# Altium PCB VCO.PcbDoc (part 2 of 2)
Units mm, origin at the board's own origin, x right, y up, seen from the top; angles counter-clockwise.
Board outline 69 x 110 mm, 2 copper layers (Top Layer, Bottom Layer); 176 components, 113 nets, 516 pads, 774 vias.
Unrouted connection lines stored in the file: 1.
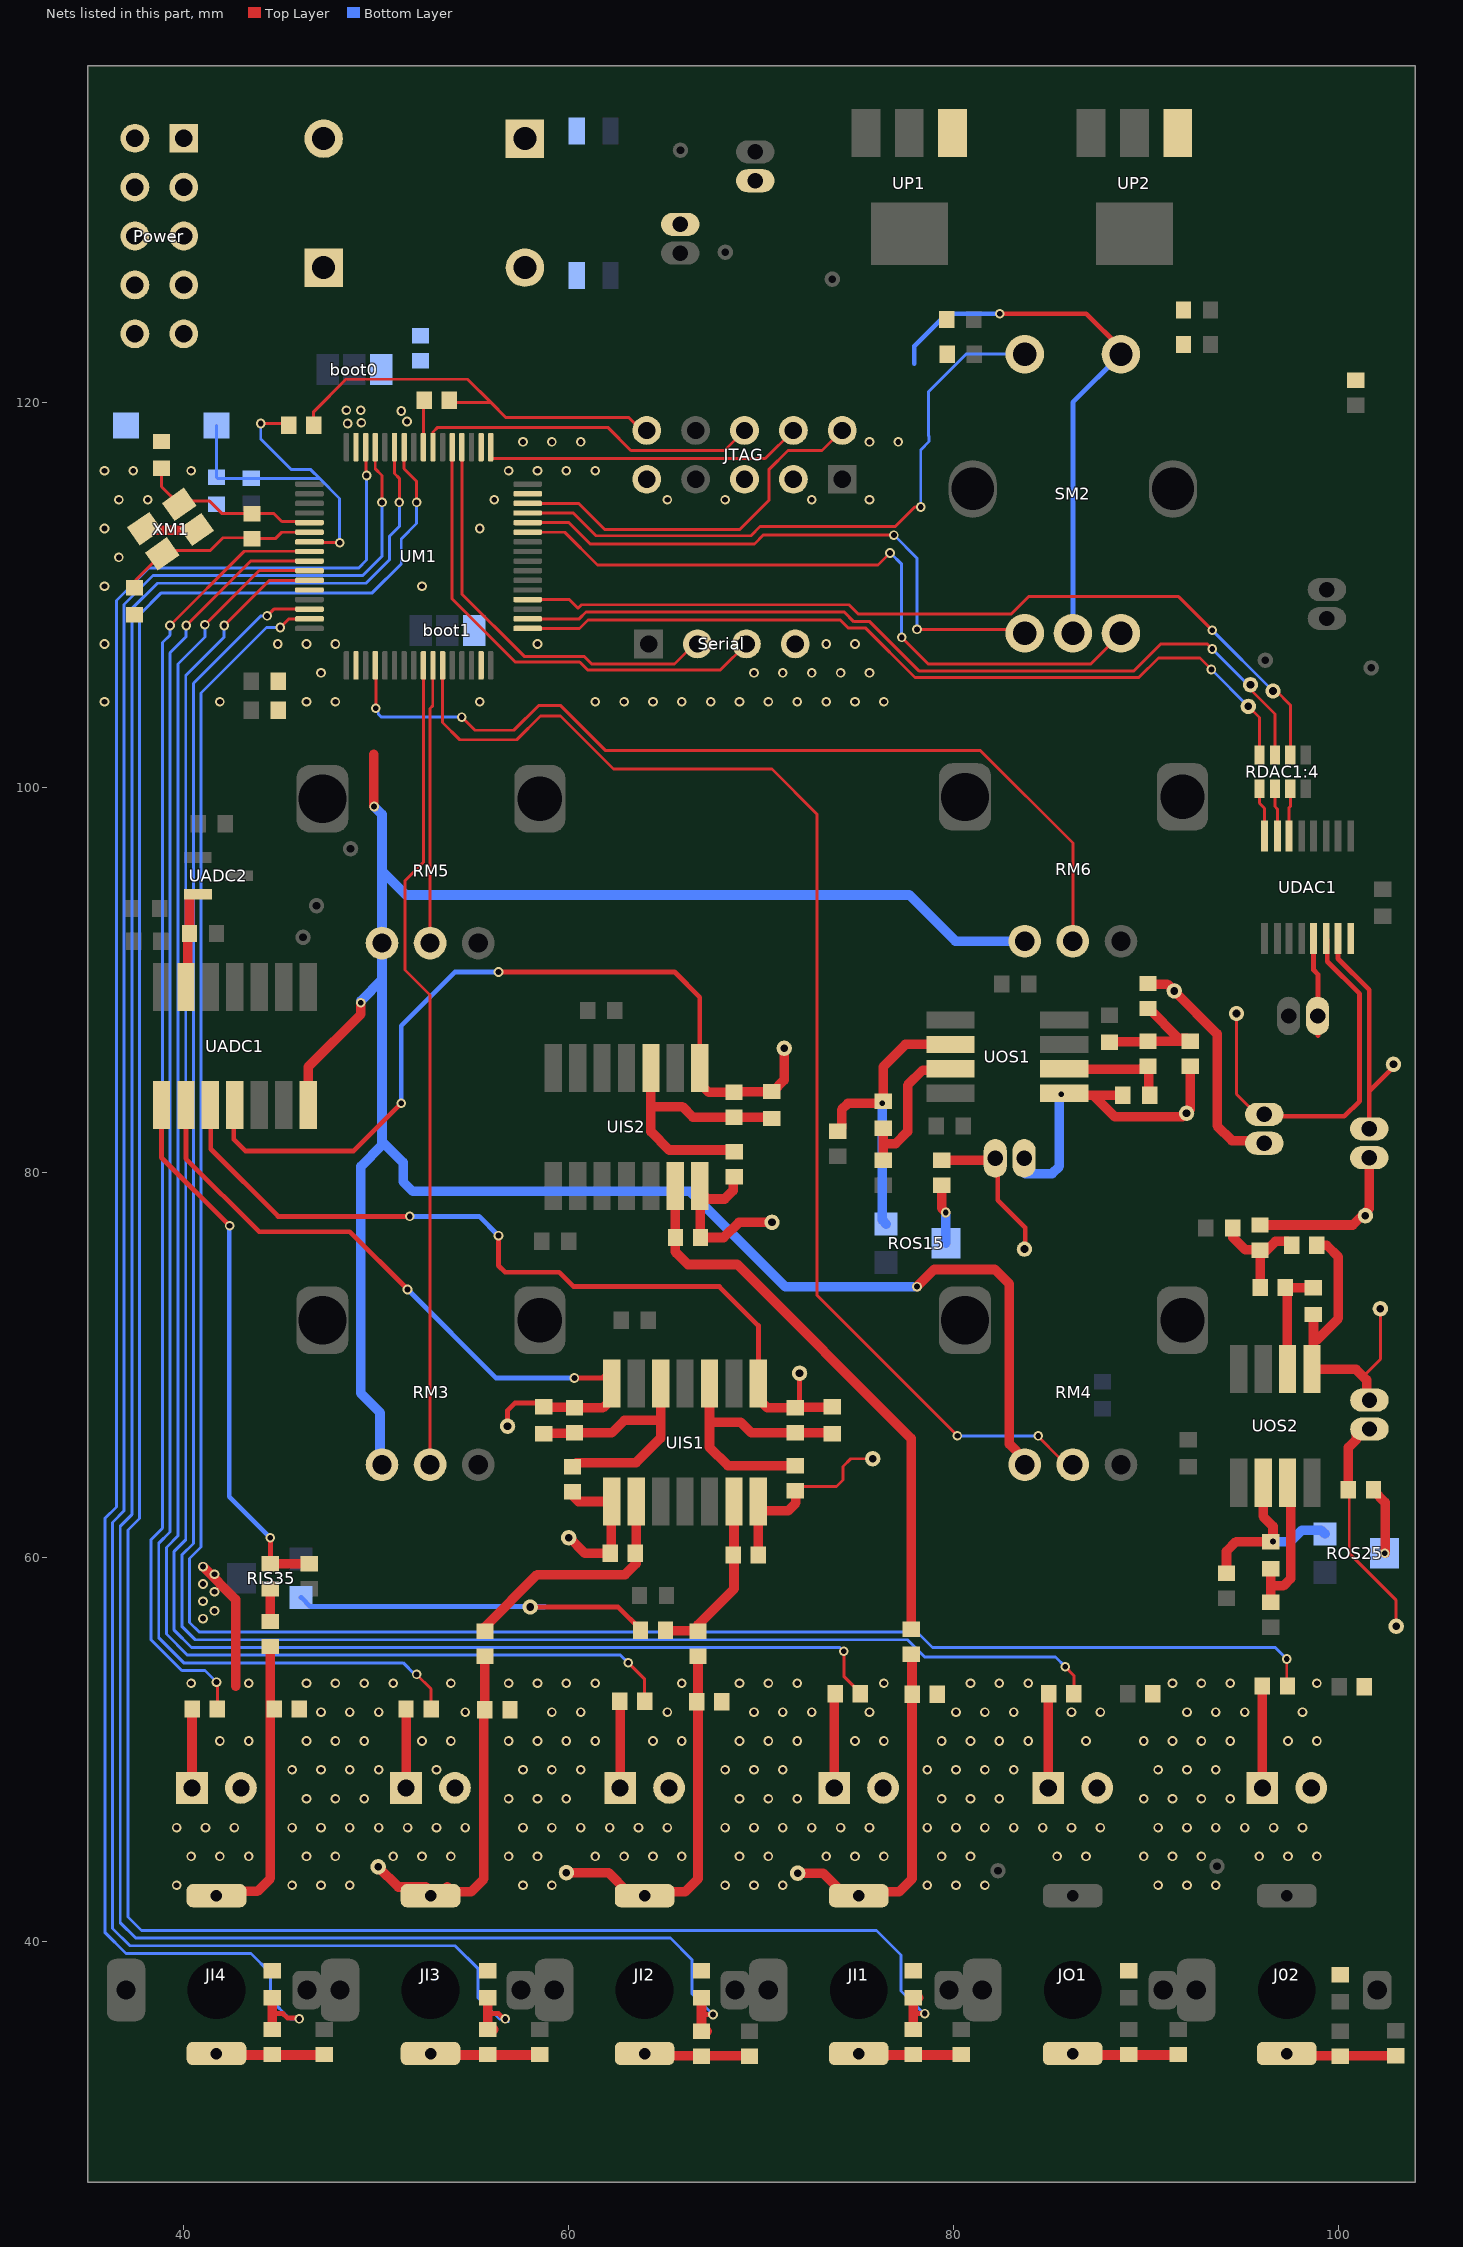
[diagram p2: the nets of this part, all layers, seen from the top]

## Via types
v1: diameter 0.5, hole 0.3, Top Layer to Bottom Layer, tented both sides, 534 vias
v2: diameter 0.5, hole 0.3, Top Layer to Bottom Layer, 240 vias

## Nets (pads, with @x,y where several pads share a name; then routed paths per layer and width w, separated by ;. In a path a pad name is that pad's centre, name@x,y a point inside that pad or via, vN(x,y) a via of type N, cw(c..) or ccw(c..) an arc to the next point about the centre after c; other vN are vias at no path point) (continued)
DGND: boot0.1 boot1.1 CD11.1 CD21.1 CD31.1 CD41.1 CD51.1 CD61.1 CM1.1 CM2.1 CM3.1 CM4.1 CM5.1 DM1.2 DM2.2 DM3.2 DM4.2 DM5.2 DM6.2 JTAG.3 JTAG.5 JTAG.9 NT2.2 RD11.1 RD21.1 RD31.1 RD41.1 RD51.1 RD61.1 reset.1 RM3.1 RM4.1 RM5.1 RM6.1 Serial.4 SM2.3 SM2.5 UADC1.7 UM1.12 UM1.18 UM1.31 UM1.47 UM1.63 XM1.2 XM1.4 | length 166.2
  Top Layer w0.25: v1(82.4,124.6) 86.9,124.6 88.7,122.8 SM2.5@88.7,122.5
  Top Layer w0.5: XM1.4@38.042,113.357 XM1.2@40.645,113.357 ; v1(41,59.5) 42.7,57.8 42.7,53.3 ; UADC1.7@46.464,83.487 46.464,85.464 49.203,88.203 v1(49.203,88.8) ; 49.879,101.7 49.879,99.01 v1(49.889,99) ; v1(78.1,74.05) 78.992,74.942 82.148,74.942 82.9,74.191 82.9,65.863 83.7,65.063 RM4.1@83.7,64.8
  Bottom Layer w0.25: 77.963,122 77.963,122.921 79.642,124.6 v1(82.4,124.6) ; SM2.3@86.2,108 86.2,120 SM2.5@88.7,122.5
  Bottom Layer w0.5: v1(49.203,88.8) 49.203,88.903 50.3,90 ; v1(49.889,99) 50.3,98.589 50.3,95.653 ; RM3.1@50.3,64.8 50.2,64.9 50.2,67.5 49.2,68.5 49.2,80.3 50.3,81.4 50.3,81.6 ; v1(78.1,74.05) 71.25,74.05 66.3,79 51.9,79 51.4,79.5 51.4,80.5 50.3,81.6 ; RM6.1@83.7,92 80.1,92 77.7,94.4 51.553,94.4 50.3,95.653 ; 50.3,81.6 50.3,90 ; 50.3,90 RM5.1@50.3,91.9 50.3,95.653
  other v1: 41,56.8 41.6,57.2 41,57.7 41.6,58.2 41,58.6 41.6,59.1 48.513,118.9 49.23,118.935 51.6,119 51.3,119.549 48.45,119.59 49.198,119.59
  other v2: 39.63,42.942 45.63,42.942 47.13,42.942 48.63,42.942 57.63,42.942 59.13,42.942 68.13,42.942 69.63,42.942 71.13,42.942 78.63,42.942 80.13,42.942 81.63,42.942 90.63,42.942 92.13,42.942 93.63,42.942 40.38,44.442 41.88,44.442 43.38,44.442 46.38,44.442 47.88,44.442 50.88,44.442 52.38,44.442 53.88,44.442 56.88,44.442 58.38,44.442 61.38,44.442 62.88,44.442 64.38,44.442 65.88,44.442 68.88,44.442 70.38,44.442 73.38,44.442 74.88,44.442 76.38,44.442 79.38,44.442 80.88,44.442 85.38,44.442 86.88,44.442 89.88,44.442 91.38,44.442 92.88,44.442 95.88,44.442 97.38,44.442 98.88,44.442 39.63,45.942 41.13,45.942 42.63,45.942 45.63,45.942 47.13,45.942 48.63,45.942 50.13,45.942 51.63,45.942 53.13,45.942 54.63,45.942 57.63,45.942 59.13,45.942 60.63,45.942 62.13,45.942 63.63,45.942 65.13,45.942 68.13,45.942 69.63,45.942 71.13,45.942 72.63,45.942 74.13,45.942 75.63,45.942 78.63,45.942 80.13,45.942 81.63,45.942 83.13,45.942 84.63,45.942 86.13,45.942 87.63,45.942 90.63,45.942 92.13,45.942 93.63,45.942 95.13,45.942 96.63,45.942 98.13,45.942 46.38,47.442 47.88,47.442 49.38,47.442 56.88,47.442 58.38,47.442 59.88,47.442 68.88,47.442 70.38,47.442 71.88,47.442 79.38,47.442 80.88,47.442 82.38,47.442 89.88,47.442 91.38,47.442 92.88,47.442 94.38,47.442 45.63,48.942 47.13,48.942 48.63,48.942 50.13,48.942 53.13,48.942 57.63,48.942 59.13,48.942 60.63,48.942 68.13,48.942 69.63,48.942 71.13,48.942 78.63,48.942 80.13,48.942 81.63,48.942 83.13,48.942 90.63,48.942 92.13,48.942 93.63,48.942 41.88,50.442 43.38,50.442 46.38,50.442 47.88,50.442 49.38,50.442 52.38,50.442 53.88,50.442 56.88,50.442 58.38,50.442 59.88,50.442 61.38,50.442 64.38,50.442 65.88,50.442 68.88,50.442 70.38,50.442 71.88,50.442 74.88,50.442 76.38,50.442 79.38,50.442 80.88,50.442 82.38,50.442 83.88,50.442 86.88,50.442 89.88,50.442 91.38,50.442 92.88,50.442 94.38,50.442 97.38,50.442 98.88,50.442 47.13,51.942 48.63,51.942 50.13,51.942 54.63,51.942 59.13,51.942 60.63,51.942 65.13,51.942 69.63,51.942 71.13,51.942 72.63,51.942 75.63,51.942 80.13,51.942 81.63,51.942 83.13,51.942 86.13,51.942 87.63,51.942 92.13,51.942 93.63,51.942 95.13,51.942 98.13,51.942 40.38,53.442 43.38,53.442 46.38,53.442 47.88,53.442 49.38,53.442 50.88,53.442 53.88,53.442 56.88,53.442 58.38,53.442 59.88,53.442 61.38,53.442 65.88,53.442 68.88,53.442 70.38,53.442 71.88,53.442 76.38,53.442 80.88,53.442 82.38,53.442 83.88,53.442 91.38,53.442 92.88,53.442 94.38,53.442 98.88,53.442 35.88,104.442 41.88,104.442 46.38,104.442 47.88,104.442 55.38,104.442 61.38,104.442 62.88,104.442 64.38,104.442 65.88,104.442 67.38,104.442 68.88,104.442 70.38,104.442 71.88,104.442 73.38,104.442 74.88,104.442 76.38,104.442 47.13,105.942 69.63,105.942 71.13,105.942 72.63,105.942 74.13,105.942 75.63,105.942 35.88,107.442 44.88,107.442 46.38,107.442 47.88,107.442 58.38,107.442 73.38,107.442 74.88,107.442 35.88,110.442 52.38,110.442 36.63,111.942 35.88,113.442 55.38,113.442 36.63,114.942 38.13,114.942 56.13,114.942 65.13,114.942 68.13,114.942 72.63,114.942 75.63,114.942 35.88,116.442 37.38,116.442 40.38,116.442 56.88,116.442 58.38,116.442 59.88,116.442 61.38,116.442 57.63,117.942 59.13,117.942 60.63,117.942 75.63,117.942 77.13,117.942
ENC_A: SM2.1 UM1.44 | length 30.8
  Top Layer w0.152: UM1.44@57.87,113.75 60.007,113.75 61.118,112.64 69.651,112.64 70.111,113.1 v1(76.9,113.1) ; v1(78.1,108.2) 83.5,108.2 SM2.1@83.7,108
  Bottom Layer w0.152: v1(76.9,113.1) 78.1,111.9 v1(78.1,108.2)
ENC_B: SM2.2 UM1.43 | length 37.1
  Top Layer w0.152: UM1.43@57.87,113.25 59.794,113.25 61.499,111.545 76.073,111.545 76.696,112.168 v1(76.696,112.171) ; v1(77.305,107.786) 78.685,106.406 87.128,106.406 88.7,107.978 SM2.2@88.7,108
  Bottom Layer w0.152: v1(76.696,112.171) 76.724,112.171 77.305,111.59 v1(77.305,107.786)
ENC_SW: SM2.4 UM1.45 | length 33.5
  Top Layer w0.152: UM1.45@57.87,114.25 60.241,114.25 61.423,113.068 69.469,113.068 69.948,113.547 76.974,113.547 77.987,114.56 v1(78.295,114.56)
  Bottom Layer w0.152: v1(78.295,114.56) 78.295,117.528 78.728,117.961 78.728,118.239 78.691,118.276 78.691,120.541 80.65,122.5 SM2.4@83.7,122.5
FM_CV: JI2.3 RD41.2 RIS31.1 TPIS31.1 | length 19.1
  Top Layer w0.5: TPIS31.1@59.882,43.6 62.071,43.6 63.071,42.6 63.946,42.6 66.046,42.6 66.721,43.275 RIS31.1@66.721,54.85
FM_CV_OUT: CIS31.2 RIS34.2 TPIS33.1 UADC1.3 UIS1.8 | length 45.2
  Top Layer w0.25: UADC1.3@41.384,83.487 41.4,83.471 41.4,81.2 44.9,77.7 v1(51.74,77.7) ; v1(56.355,76.7) 56.355,75.145 56.699,74.801 59.504,74.801 60.255,74.05 67.834,74.05 69.859,72.026 UIS1.8@69.859,69.013 ; RIS34.2@71.775,67.75 71.8,67.775 72,67.975 TPIS33.1@72,69.55
  Top Layer w0.5: UIS1.8@69.859,69.013 69.859,68.213 70.322,67.75 RIS34.2@71.775,67.75 ; RIS34.2@71.8,67.775 73.675,67.775 CIS31.2@73.7,67.8
  Bottom Layer w0.25: v1(51.74,77.7) 55.355,77.7 v1(56.355,76.7)
FM_CV_SWITCH: CD41.2 RD43.2 UM1.59 | length 125.3
  Top Layer w0.152: UM1.59@50.95,117.67 50.95,116.3 51.201,116.049 v1(51.201,114.8)
  Top Layer w0.25: 66.9,36.225 v1(67.5,36.225)
  Top Layer w0.5: RD43.2@66.9,35.35 66.9,36.225 CD41.2@66.9,37.1
  Bottom Layer w0.152: v1@51.2,114.799 51.2,113.553 50.7,113.053 50.7,111.829 49.471,110.6 38.629,110.6 37.3,109.271 37.3,62.2 36.7,61.6 36.7,41 37.5,40.2 65.288,40.2 66.4,39.088 66.4,37.325 v1(67.5,36.225)
GATE_IN: JI4.3 RD61.2 RIS41.1 | length 15.1
  Top Layer w0.5: JI4.3@41.7,42.6 41.725,42.625 43.825,42.625 44.5,43.3 RIS41.1@44.5,55.35
GATE_IN_OUT: RIS42.1 RIS43.2 UADC1.1 | length 28.4
  Top Layer w0.25: UADC1.1@38.844,83.487 38.844,80.75 v1(42.382,77.212) ; v1(44.5,61) RIS42.1@44.5,59.65 44.55,59.65 RIS42.1@44.7,59.8
  Top Layer w0.5: RIS42.1@44.55,59.65 RIS43.2@46.529,59.65
  Bottom Layer w0.25: v1(42.382,77.212) 42.365,77.194 42.365,63.135 v1(44.5,61)
GATE_IN_SWITCH: CD61.2 RD63.2 UM1.62 | length 105.1
  Top Layer w0.152: UM1.62@49.45,117.67 49.475,117.645 49.475,116.225 v1(49.501,116.2)
  Top Layer w0.25: 44.6,36.275 45.155,36.275 45.383,36.048 45.952,36.048 v1(46,36)
  Top Layer w0.5: RD63.2@44.6,35.45 44.6,36.275 CD61.2@44.6,37.1
  Bottom Layer w0.152: v1(46,36) 45.517,36 44.5,37.017 44.5,38.4 43.5,39.4 37,39.4 35.9,40.5 35.9,62 36.5,62.6 36.5,109.7 38.2,111.4 49.1,111.4 49.5,111.8 v1@49.5,116.199
GND: CP1.1 CP2.2 CP3.2 CP4.1 CP5.2 CP6.1 NT1.1 NT2.1 Power.3 Power.4 Power.5 Power.6 Power.7 Power.8 UP1.1 UP2.1
I2S2_CK: RDAC1:4.7 TPDAC2.1 UM1.34 | length 44.6
  Top Layer w0.152: UM1.34@57.87,108.75 60.55,108.75 60.9,109.1 74.319,109.1 74.819,108.6 75.645,108.6 78.196,106.049 89.374,106.049 90.758,107.433 93.19,107.433 v1(93.441,107.183) ; TPDAC2.1@95.429,105.324 95.429,105.071 96.7,103.8 RDAC1:4.7@96.7,101.675
  Bottom Layer w0.152: v1(93.441,107.183) 95.3,105.324 TPDAC2.1@95.429,105.324
I2S2_CK_IC: RDAC1:4.2 UDAC1.7 | length 2.5
  Top Layer w0.152: RDAC1:4.2@96.7,99.925 96.7,99 96.825,98.875 UDAC1.7@96.825,97.467
I2S2_SD: RDAC1:4.6 TPDAC3.1 UM1.36 | length 45.4
  Top Layer w0.152: UM1.36@57.87,109.75 60.033,109.75 60.483,109.3 60.665,109.483 74.563,109.483 75.055,108.991 82.991,108.991 83.9,109.9 91.699,109.9 v1(93.441,108.158) ; TPDAC3.1@96.6,104.999 96.627,105.026 96.753,105.026 97.5,104.279 97.5,103.2 RDAC1:4.6@97.5,101.675
  Bottom Layer w0.152: v1(93.441,108.158) TPDAC3.1@96.6,104.999
I2S2_SD_IC: RDAC1:4.3 UDAC1.6 | length 2.5
  Top Layer w0.152: UDAC1.6@97.435,97.467 97.435,98.935 97.5,99 RDAC1:4.3@97.5,99.925
I2S2_WS: RDAC1:4.8 TPDAC1.1 UM1.33 | length 43.1
  Top Layer w0.152: UM1.33@57.87,108.25 60.567,108.25 61,108.683 74.117,108.683 74.517,108.283 75.417,108.283 78,105.7 89.626,105.7 90.644,106.717 92.8,106.717 v1(93.4,106.117) ; TPDAC1.1@95.317,104.2 95.9,103.617 RDAC1:4.8@95.9,101.675
  Bottom Layer w0.152: v1(93.4,106.117) TPDAC1.1@95.317,104.2
I2S2_WS_IC: RDAC1:4.1 UDAC1.8 | length 2.6
  Top Layer w0.152: RDAC1:4.1@95.9,99.925 95.9,99.169 96.165,98.904 UDAC1.8@96.165,97.467
IN3: JI3.3 RD51.2 RIS21.1 TPIS21.1 | length 18.2
  Top Layer w0.5: TPIS21.1@50.1,43.9 51.15,42.85 52.573,42.85 52.823,42.6 JI3.3@53.448,42.6 ; JI3.3@53.698,42.85 JI3.3@53.448,42.6 ; RD51.2@55.598,52.07 55.598,43.275 54.923,42.6 JI3.3@53.448,42.6 ; RD51.2@55.65,52.07 RIS21.1@55.65,54.85
IN3_SWITCH: CD51.2 RD53.2 UM1.61 | length 115.4
  Top Layer w0.152: UM1.61@49.95,117.67 49.95,116.551 50.301,116.2 v1(50.301,114.8)
  Top Layer w0.25: 55.8,36.275 56.357,36.275 56.632,36 v1(56.7,36)
  Top Layer w0.5: RD53.2@55.8,35.45 55.8,36.275 CD51.2@55.8,37.1
  Bottom Layer w0.152: v1@50.3,114.799 50.3,112 49.3,111 38.4,111 36.9,109.5 36.9,62.4 36.3,61.8 36.3,40.7 37.2,39.8 54.1,39.8 55.3,38.6 55.3,37.1 56.4,36 v1(56.7,36) v1@56.85,35.85
JTAG_RST: RM14.2 UM1.56 | length 2.4
  Top Layer w0.152: UM1.56@52.449,117.67 52.449,120.055 RM14.2@52.494,120.1
JTAG_TCK-SWCLK: JTAG.4 UM1.49 | length 16.3
  Top Layer w0.152: UM1.49@55.949,117.074 70.211,117.074 JTAG.4@71.677,118.54
JTAG_TDI: UM1.50
JTAG_TDO-TRACESWO: JTAG.6 UM1.55 | length 18
  Top Layer w0.152: UM1.55@52.95,117.67 52.949,118.451 53.198,118.7 62.031,118.7 63.231,117.5 68.097,117.5 JTAG.6@69.137,118.54
JTAG_TMS-SWDIO: JTAG.2 UM1.46 | length 20
  Top Layer w0.152: UM1.46@57.87,114.75 60.509,114.75 61.859,113.4 68.9,113.4 70.4,114.9 70.4,116.5 71.391,117.491 73.168,117.491 JTAG.2@74.217,118.54
LED1: RM7.1 UM1.8 | length 67.7
  Top Layer w0.152: v1(39.284,108.4) 43.146,112.262 46.518,112.262 UM1.8@46.53,112.25 ; v1(41.7,53.5) 41.75,53.45 RM7.1@41.75,52.1
  Bottom Layer w0.152: v1(39.284,108.4) 39.284,107.9 38.9,107.516 38.9,61.5 38.3,60.9 38.3,55.7 39.9,54.1 41.1,54.1 v1(41.7,53.5)
LED2: RM8.1 UM1.9 | length 77.3
  Top Layer w0.152: v1(40.127,108.4) 43.477,111.75 UM1.9@46.53,111.75 ; v1(52.1,53.9) 52.85,53.15 RM8.1@52.85,52.1
  Bottom Layer w0.152: v1(40.127,108.4) 40.127,107.827 39.284,106.984 39.284,61.3 38.7,60.716 38.7,55.8 40,54.5 51.4,54.5 52,53.9 v1(52.1,53.9)
LED3: RM9.1 UM1.10 | length 86.8
  Top Layer w0.152: v1(41.1,108.445) 43.905,111.25 UM1.10@46.53,111.25 ; v1(63.1,54.5) 63.95,53.65 RM9.1@63.95,52.5
  Bottom Layer w0.152: v1(41.1,108.445) 41.1,107.8 39.7,106.4 39.7,61.1 39.1,60.5 39.1,56 40.2,54.9 62.7,54.9 v1(63.1,54.5)
LED4: RM10.1 UM1.11 | length 96.5
  Top Layer w0.152: v1(42.1,108.4) 44.45,110.75 UM1.11@46.53,110.75 ; v1(74.3,55.1) 74.3,53.8 75.15,52.95 RM10.1@75.15,52.9
  Bottom Layer w0.152: v1(42.1,108.4) 42.1,107.8 40.104,105.804 40.104,60.9 39.501,60.297 39.501,56.199 40.4,55.3 74.1,55.3 v1(74.3,55.1)
LED5: RM11.1 UM1.14 | length 105.2
  Top Layer w0.152: v1(44.33,108.9) 44.68,109.25 UM1.14@46.53,109.25 ; v1(85.8,54.3) 86.25,53.85 RM11.1@86.25,52.9
  Bottom Layer w0.152: v1(44.33,108.9) 44,108.9 40.5,105.4 40.5,60.7 39.9,60.1 39.9,56.4 40.6,55.7 77.6,55.7 78.5,54.8 85.3,54.8 v1(85.8,54.3)
LED6: RM12.1 UM1.15 | length 115
  Top Layer w0.152: v1(45.017,108.3) 45.467,108.75 UM1.15@46.53,108.75 ; v1(97.315,54.7) 97.315,53.335 RM12.1@97.35,53.3
  Bottom Layer w0.152: v1(45.017,108.3) 44.3,108.3 40.9,104.9 40.9,60.6 40.9,60.521 40.3,59.921 40.3,56.6 40.8,56.1 78.1,56.1 78.9,55.3 96.715,55.3 v1(97.315,54.7)
NetCDAC1_2: CDAC1.2 ROS11.1 TPOS11.1 | length 12.7
  Top Layer w0.5: ROS11.1@90.1,89.8 90.129,89.771 91.111,89.771 TPOS11.1@91.467,89.414 93.7,87.182 93.7,82.4 94.466,81.634 96.016,81.634 CDAC1.2@96.15,81.5 ; CDAC1.2@96.34,81.5 CDAC1.2@96.74,81.5
NetCDAC2_2: CDAC2.2 ROS21.1 TPOS21.1 | length 9.1
  Top Layer w0.5: ROS21.1@95.923,77.25 100.743,77.25 101.6,78.107 CDAC2.2@101.6,80.75 CDAC2.2@101.2,80.75
NetCIS11_1: CIS11.1 RIS13.2 RIS14.1 UIS2.10 | length 14.7
  Top Layer w0.5: UIS2.10@64.275,85.413 64.275,83.4 ; RIS13.2@68.731,81.15 65.225,81.15 64.275,82.1 64.275,83.4 ; CIS11.1@70.606,82.85 68.731,82.85 66.456,82.85 65.906,83.4 64.275,83.4
NetCIS21_1: CIS21.1 RIS23.2 RIS24.1 UIS1.12 | length 14.4
  Top Layer w0.5: CIS21.1@58.7,66.4 58.725,66.425 RIS24.1@60.275,66.425 ; RIS23.2@60.2,64.7 60.4,64.9 63.5,64.9 64.779,66.179 64.779,67.1 ; RIS24.1@60.25,66.4 RIS24.1@60.275,66.425 ; UIS1.12@64.779,69.013 64.779,67.1 ; RIS24.1@60.275,66.425 RIS24.1@60.3,66.45 62.239,66.45 62.889,67.1 64.779,67.1
NetCIS31_1: CIS31.1 RIS33.2 RIS34.1 UIS1.10 | length 14.8
  Top Layer w0.5: UIS1.10@67.319,69.013 67.319,67 ; RIS33.2@71.775,64.75 68.268,64.75 67.319,65.7 67.319,67 ; CIS31.1@73.7,66.4 73.65,66.45 RIS34.1@71.775,66.45 69.5,66.45 68.95,67 67.319,67
NetCOS11_2: COS11.2 ROS11.2 ROS12.1 ROS13.1 | length 7.1
  Top Layer w0.5: COS11.2@88.1,86.75 88.125,86.775 90.075,86.775 ROS12.1@90.1,86.8 ROS13.1@92.3,86.8 92.15,86.95 91.7,86.95 90.15,88.5 ROS11.2@90.1,88.5
NetCOS12_1: COS12.1 ROS12.2 UOS1.2 | length 6.4
  Top Layer w0.5: UOS1.2@85.485,85.35 89.75,85.35 90,85.6 ROS12.2@90.1,85.5 90.15,85.45 90.15,84.05 COS12.1@90.2,84 ; UOS1.2@85.75,85.365 UOS1.2@85.785,85.4
NetCOS12_2: COS12.2 COS13.1 ROS13.2 TPOS12.1 UOS1.1 | length 16.7
  Top Layer w0.5: UOS1.1@85.75,84.095 85.848,83.998 87.253,83.998 ; COS12.2@88.75,83.95 88.703,83.998 87.253,83.998 ; ROS13.2@92.3,85.5 92.3,83.25 91.917,82.867 88.383,82.867 87.253,83.998
  Bottom Layer w0.5: COS13.1@83.729,79.924 85.124,79.924 85.5,80.3 85.5,83.95 v1(85.6,84.05)
NetCOS13_2: COS13.2 ROS14.1 TPOS13.1 | length 7.5
  Top Layer w0.25: COS13.2@82.165,80.715 COS13.2@82.234,80.647 ; COS13.2@82.297,79.856 82.297,78.549 83.729,77.117 83.729,76.047 TPOS13.1@83.682,76
  Top Layer w0.5: ROS14.1@79.279,80.619 ROS14.1@79.379,80.619 COS13.2@82.165,80.619
NetCOS14_1: COS14.1 ROS15.3 ROS16.1 UOS1.6 | length 15.6
  Top Layer w0.5: ROS16.1@73.984,82.124 74.034,82.124 74.184,82.274 74.184,83.244 74.514,83.574 v1(76.298,83.574) ; COS14.1@76.349,83.674 76.349,85.484 77.5,86.635 UOS1.6@79.85,86.635
  Bottom Layer w0.5: v1(76.298,83.574) 76.298,77.502 ROS15.3@76.5,77.3
NetCOS14_2: COS14.2 ROS17.1 UOS1.7 | length 8.2
  Top Layer w0.5: COS14.2@76.349,82.274 COS14.2@76.349,82.274 76.35,81.474 ; ROS17.1@76.351,80.624 ROS17.1@76.351,80.624 76.35,81.474 ; UOS1.7@79.85,85.365 79.785,85.3 78.4,85.3 77.619,84.519 77.619,82.109 76.984,81.474 76.35,81.474
NetCOS21_2: COS21.2 ROS21.2 ROS22.1 ROS23.1 | length 6.3
  Top Layer w0.5: COS21.2@94.507,77.1 94.523,77.084 94.523,76.6 95.163,75.96 95.913,75.96 ROS21.2@95.923,75.95 ; ROS22.1@95.892,73.95 ROS22.1@95.942,74 ROS21.2@95.942,75.619 ; ROS21.2@95.923,75.96 95.942,75.96 ROS21.2@95.942,75.619 ; ROS23.1@97.573,76.2 97.373,76.4 96.723,76.4 ROS21.2@95.942,75.619
NetCOS22_1: COS22.1 ROS22.2 UOS2.2 | length 5.6
  Top Layer w0.5: UOS2.2@97.343,69.851 97.343,73.899 ROS22.2@97.242,74 COS22.1@98.692,74
NetCOS22_2: COS22.2 COS23.1 ROS23.2 TPOS22.1 UOS2.1 | length 16.4
  Top Layer w0.152: 101.285,69.385 102.179,70.279 TPOS22.1@102.179,72.9
  Top Layer w0.5: UOS2.1@98.626,69.75 100.919,69.75 101.285,69.385 101.469,69.2 COS23.1@101.469,68.15 ; COS22.2@98.692,72.6 98.703,72.589 98.703,71.411 ; UOS2.1@98.703,70.597 98.703,71.411 ; ROS23.2@98.873,76.2 99.392,76.2 99.992,75.6 99.992,72.4 98.853,71.261 98.703,71.411
NetCOS23_2: COS23.2 ROS24.1 TPOS23.1 | length 11.8
  Top Layer w0.152: ROS24.1@100.519,63.5 100.56,63.459 100.56,60.191 103,57.75 TPOS23.1@103,56.4
  Top Layer w0.5: ROS24.1@100.519,63.5 100.519,65.7 100.935,66.116 100.935,66.327 101.258,66.65 COS23.2@101.469,66.65
NetCOS24_1: COS24.1 ROS25.3 ROS26.1 UOS2.6 | length 9.9
  Top Layer w0.5: ROS26.1@94.186,59.15 94.186,60.3 94.686,60.8 COS24.1@96.469,60.8 ; UOS2.6@96.086,63.86 96.086,62.109 96.6,61.595 v1(96.6,60.8)
  Bottom Layer w0.5: v1(96.6,60.8) 97.5,60.8 98.1,61.4 99.1,61.4 ROS25.3@99.3,61.2
NetCOS24_2: COS24.2 ROS27.1 UOS2.7 | length 7.3
  Top Layer w0.5: ROS27.1@96.486,57.65 96.486,58.5 ; COS24.2@96.486,59.4 96.486,58.5 ; UOS2.7@97.521,63.248 97.521,58.881 97.14,58.5 96.486,58.5
NetDM1_1: DM1.1 RM7.2 | length 4.1
  Top Layer w0.5: RM7.2@40.4,52.1 40.43,52.07 DM1.1@40.43,48
NetDM2_1: DM2.1 RM8.2 | length 4.1
  Top Layer w0.5: DM2.1@51.553,48 51.553,52.053 RM8.2@51.6,52.1
NetDM3_1: DM3.1 RM9.2 | length 4.5
  Top Layer w0.5: DM3.1@62.676,48 62.676,52.476 RM9.2@62.7,52.5
NetDM4_1: DM4.1 RM10.2 | length 4.9
  Top Layer w0.5: DM4.1@73.799,48 RM10.2@73.799,52.899
NetDM5_1: DM5.1 RM11.2 | length 4.9
  Top Layer w0.5: RM11.2@84.9,52.899 84.922,52.877 DM5.1@84.922,48
NetDM6_1: DM6.1 RM12.2 | length 5.3
  Top Layer w0.5: RM12.2@96,53.3 96.045,53.255 DM6.1@96.045,48
NetDP1_1: DP1.1 Power.1 Power.2
NetDP1_2: DP1.2 LP1.2
NetDP2_1: DP2.1 LP2.2
NetDP2_2: DP2.2 Power.9 Power.10
NetJ02_2: J02.2 RD22.1 RD23.1 | length 5.3
  Top Layer w0.5: J02.2@97.315,34.1 97.34,34.075 100.4,34.075 102.575,34.075 RD22.1@102.6,34.05
NetJI1_2: JI1.2 RD32.1 RD33.1 | length 5.2
  Top Layer w0.5: JI1.2@75.069,34.1 75.094,34.125 78.2,34.125 80.175,34.125 RD32.1@80.2,34.15
NetJI2_2: JI2.2 RD42.1 RD43.1 | length 5.5
  Top Layer w0.5: JI2.2@63.946,34.1 63.971,34.075 67.2,34.075 69.375,34.075 RD42.1@69.4,34.05
NetJI3_2: JI3.2 RD52.1 RD53.1 | length 5.7
  Top Layer w0.5: JI3.2@52.823,34.1 52.848,34.125 56.1,34.125 58.475,34.125 RD52.1@58.5,34.15
NetJI4_2: JI4.2 RD62.1 RD63.1 | length 5.6
  Top Layer w0.5: JI4.2@41.7,34.1 41.725,34.125 44.9,34.125 47.245,34.125 RD62.1@47.27,34.15
NetJO1_2: JO1.2 RD12.1 RD13.1 | length 5.2
  Top Layer w0.5: JO1.2@86.192,34.1 86.217,34.125 89.4,34.125 91.375,34.125 RD12.1@91.4,34.15
NetPM1_10: JTAG.10 RM13.1 RM14.1 | length 22
  Top Layer w0.152: RM13.1@46.75,118.8 46.75,119.514 48.436,121.2 54.75,121.2 55.95,120 ; RM14.1@53.75,120 55.95,120 ; JTAG.10@64.057,118.54 63.794,118.54 63.134,119.2 56.75,119.2 55.95,120
NetRIS11_2: RIS11.2 RIS12.1 UIS2.6 | length 29.6
  Top Layer w0.5: UIS2.6@65.545,79.287 65.545,75.855 65.6,75.8 66.2,75.2 68.767,75.2 77.8,66.167 RIS11.2@77.8,56.25
NetRIS12_2: RIS12.2 RIS13.1 TPIS12.1 UIS2.7 | length 9.6
  Top Layer w0.5: UIS2.7@66.815,79.287 66.815,79 UIS2.7@66.832,78.983 ; RIS13.1@68.6,79.75 68.55,79.75 68.55,79.043 68.107,78.6 67.215,78.6 UIS2.7@66.832,78.983 ; TPIS12.1@70.567,77.39 68.84,77.39 68.05,76.6 RIS12.2@66.85,76.6 66.832,76.617 UIS2.7@66.832,78.983
NetRIS21_2: RIS21.2 RIS22.1 UIS1.2 | length 12.7
  Top Layer w0.5: RIS21.2@55.65,56.15 55.65,56.371 58.36,59.081 62.936,59.081 63.509,59.654 UIS1.2@63.509,62.887
NetRIS22_2: RIS22.2 RIS23.1 TPIS22.1 UIS1.1 | length 7.8
  Top Layer w0.5: TPIS22.1@60,61 60.033,61 60.83,60.204 62.151,60.204 RIS22.2@62.155,60.2 ; RIS23.1@60.2,63.4 60.2,63.2 60.513,62.887 UIS1.1@62.239,62.887 62.205,62.853 62.205,60.034 RIS22.2@62.171,60
NetRIS31_2: RIS31.2 RIS32.1 RIS36.2 UIS1.6 | length 9.3
  Top Layer w0.5: RIS36.2@64.923,56.2 64.948,56.175 66.696,56.175 RIS31.2@66.721,56.15 66.721,56.475 68.589,58.343 UIS1.6@68.589,62.887
NetRIS32_2: RIS32.2 RIS33.1 TPIS32.1 UIS1.7 | length 11.1
  Top Layer w0.152: RIS33.1@71.775,63.45 71.985,63.66 73.911,63.66 74.254,64.003 74.254,64.701 74.66,65.107 TPIS32.1@75.8,65.107
  Top Layer w0.25: RIS33.1@71.775,63.45 RIS33.1@71.81,63.415
  Top Layer w0.5: RIS32.2@69.85,60.1 69.854,60.104 69.854,62.883 UIS1.7@69.859,62.887 69.859,62.6 70.059,62.4 71.4,62.4 71.81,62.81 RIS33.1@71.81,63.415
NetRIS35_3: RIS35.3 RIS36.1 TPIS34.1 | length 19.9
  Top Layer w0.25: v1(58,57.4) 59,57.4 62.582,57.4 63.732,56.25 RIS36.1@63.732,56.2
  Bottom Layer w0.25: RIS35.3@46.1,57.9 46.575,57.425 58.778,57.425 58.753,57.4 v1(58,57.4)
NetRIS41_2: RIS41.2 RIS42.2 | length 1.7
  Top Layer w0.5: RIS41.2@44.5,56.65 RIS42.2@44.5,58.35
NetROS14_2: ROS14.2 ROS15.2 | length 3.2
  Top Layer w0.5: ROS14.2@79.279,79.319 79.229,79.319 79.379,79.169 79.379,78.121 v1(79.6,77.9)
  Bottom Layer w0.5: ROS15.2@79.6,76.3 v1(79.6,77.9)
NetROS24_2: ROS24.2 ROS25.2 | length 3.6
  Top Layer w0.5: ROS24.2@101.819,63.5 101.819,63.45 102.429,62.84 v1@102.429,60.2
  other v1: 102.4,60.2
NRESET: CM1.2 reset.2 RM1.2 RM13.2 UM1.7 | length 20.6
  Top Layer w0.152: v1(44,118.9) 45.35,118.9 RM13.2@45.45,118.8 ; UM1.7@46.53,112.75 46.555,112.725 48.076,112.725 v1(48.101,112.7)
  Bottom Layer w0.152: v1(44,118.9) 44,118.1 45.6,116.5 46.6,116.5 47.05,116.05 ; v1(48.101,112.7) 48.1,115 47.05,116.05 ; 41.7,117.8 reset.2@41.7,118.8 41.7,117.8 ; 41.7,117.8 CM1.2@41.7,116.1 41.75,116.05 RM1.2@43.5,116.05 47.05,116.05
OSC_IN: CM2.2 RM2.1 UM1.5 XM1.3 | length 9.3
  Top Layer w0.152: CM2.2@38.844,116.564 38.844,115.618 XM1.3@39.761,114.701 ; XM1.3@39.923,114.864 41.346,114.864 41.996,114.214 RM2.1@43.546,114.214 44.696,114.214 45.096,113.814 46.466,113.814 UM1.5@46.53,113.75
OSC_OUT: CM3.2 RM2.2 UM1.6 XM1.1 | length 10
  Top Layer w0.152: CM3.2@37.444,110.364 37.444,110.336 CM3.2@37.46,110.32 ; CM3.2@37.486,110.75 37.498,110.75 XM1.1@38.877,112.129 ; XM1.1@39.09,112.308 41.39,112.308 42.046,112.964 RM2.2@43.696,112.964 ; RM2.2@43.546,112.914 44.759,112.914 45.096,113.25 UM1.6@46.53,113.25
OUT_1: CDAC1.1 TPDAC5.1 UDAC1.14 | length 20.3
  Top Layer w0.152: TPDAC5.1@94.7,88.24 94.7,84.05 CDAC1.1@95.75,83
  Top Layer w0.25: CDAC1.1@96.4,82.9 100.306,82.9 101.096,83.69 101.096,89.266 99.418,90.944 99.418,92.08 UDAC1.14@99.365,92.133
  Top Layer w0.5: CDAC1.1@95.75,83 CDAC1.1@96.15,83
OUT_2: CDAC2.1 TPDAC6.1 UDAC1.15 | length 12.5
  Top Layer w0.25: UDAC1.15@99.975,92.133 99.975,91.1 101.6,89.475 101.6,84.2 ; CDAC2.1@101.6,82.25 101.6,84.2 ; TPDAC6.1@102.857,85.6 102.857,85.457 101.6,84.2
PITCH_CV: JI1.3 RD31.2 RIS11.1 TPIS11.1 | length 18.3
  Top Layer w0.5: TPIS11.1@71.9,43.572 73.222,43.572 74.194,42.6 75.069,42.6 77.169,42.6 77.844,43.275 77.844,54.906 RIS11.1@77.8,54.95
PITCH_CV_OUT: CIS11.2 RIS14.2 TPIS13.1 UADC1.4 UIS2.8 | length 43.4
  Top Layer w0.25: UADC1.4@42.8,83.341 UADC1.4@42.654,83.487 42.6,83.433 42.6,81.7 43.2,81.1 48.826,81.1 v1(51.3,83.574) ; v1(56.355,90.4) 65.5,90.4 66.815,89.085 UIS2.8@66.815,85.413
  Top Layer w0.5: UIS2.8@66.815,84.613 67.278,84.15 RIS14.2@68.589,84.15 RIS14.2@68.731,84.15 ; RIS14.2@68.756,84.175 CIS11.2@70.631,84.175 ; CIS11.2@70.56,84.187 70.61,84.187 71.2,84.777 TPIS13.1@71.2,86.435
  Bottom Layer w0.25: v1(51.3,83.574) 51.3,87.6 54.1,90.4 v1(56.355,90.4)
PITCH_CV_SWITCH: CD31.2 RD33.2 UM1.58 | length 136.1
  Top Layer w0.152: UM1.58@51.45,117.67 51.45,116.551 52.101,115.9 v1(52.101,114.8)
  Top Layer w0.25: 77.9,36.275 v1(78.5,36.275)
  Top Layer w0.5: RD33.2@77.9,35.45 77.9,36.275 CD31.2@77.9,37.1
  Bottom Layer w0.152: v1@52.1,114.799 52.1,113.705 51.3,112.905 51.3,111.6 49.8,110.1 38.833,110.1 37.7,108.967 37.7,62 37.1,61.4 37.1,41.3 37.8,40.6 76,40.6 77.275,39.325 77.275,37.452 v1@78.476,36.251
Pot1: RM3.3 UM1.25 | length 42.5
  Top Layer w0.152: UM1.25@52.449,106.33 52.449,96.091 51.5,95.142 51.5,90.5 52.8,89.2 RM3.3@52.8,64.8
Pot2: RM4.3 UM1.27 | length 67.4
  Top Layer w0.152: UM1.27@53.45,106.33 53.449,103.364 54.345,102.468 57.308,102.468 58.54,103.7 59.574,103.7 62.334,100.94 70.56,100.94 72.9,98.6 72.9,73.6 v1(80.2,66.3) ; v1@84.385,66.276 85.565,65.096 85.904,65.096 RM4.3@86.2,64.8
  Bottom Layer w0.152: v1(80.2,66.3) 80.203,66.297 84.4,66.297 v1(84.403,66.294)
Pot3: RM5.3 UM1.26 | length 13.9
  Top Layer w0.152: RM5.3@52.8,91.9 52.8,104.096 52.94,104.236 UM1.26@52.94,105.768
Pot4: RM6.3 UM1.20 | length 47.6
  Top Layer w0.152: UM1.20@49.95,106.33 49.979,106.301 v2(49.979,104.1) ; v2(54.449,103.644) 55.132,102.96 57.152,102.96 58.427,104.236 59.593,104.236 61.929,101.9 81.4,101.9 86.2,97.1 RM6.3@86.2,92
  Bottom Layer w0.152: v2(49.979,104.1) 49.979,104.006 50.107,103.878 50.107,103.8 50.263,103.644 v2(54.449,103.644)
PWM_CV_OUT: CIS21.2 RIS24.2 TPIS23.1 UADC1.2 UIS1.14 | length 38.1
  Top Layer w0.25: UADC1.2@40.114,83.487 40.114,80.702 43.916,76.9 48.629,76.9 v1(51.629,73.9) ; TPIS23.1@56.826,66.8 56.826,67.617 57.209,68 58.5,68 CIS21.2@58.7,67.8 ; v1(60.3,69.3) 61.726,69.3 62.239,69.813 UIS1.14@62.239,69.013
  Top Layer w0.5: CIS21.2@58.7,67.8 58.725,67.775 60.275,67.775 RIS24.2@60.3,67.75 61.776,67.75 62.239,68.213 UIS1.14@62.239,69.013
  Bottom Layer w0.25: v1(51.629,73.9) 56.229,69.3 v1(60.3,69.3)
RX: Serial.2 UM1.52 | length 21.5
  Top Layer w0.152: UM1.52@54.449,117.4 54.449,110.042 57.691,106.8 60.8,106.8 61.2,106.4 65.5,106.4 66.545,107.445 Serial.2@66.695,107.445
TX: Serial.3 UM1.53 | length 25
  Top Layer w0.152: UM1.53@53.949,117.4 53.949,109.774 57.223,106.5 60.574,106.5 60.974,106.1 67.89,106.1 Serial.3@69.235,107.445
VCOM: CDAC3.2 UDAC1.13 | length 5.1
  Top Layer w0.25: UDAC1.13@98.705,92.133 98.705,90.505 98.932,90.277 98.932,87.1
VREF: CADC4.1 UADC1.13 UADC2.2 | length 5.2
  Top Layer w0.5: UADC1.13@40.114,89.613 40.207,89.706 40.207,92.307 CADC4.1@40.3,92.4 40.3,94.26 40.475,94.435 UADC2.2@40.733,94.435
ZERO_FLAG: UDAC1.16
pads on no net: J02.18 JI1.18 JI2.18 JI3.18 JI4.18 JO1.18 JTAG.7 JTAG.8 RM3.4 RM4.4 RM5.4 RM6.4 ROS15.1 ROS25.1 SM2.21 UADC1.5 UADC1.6 UDAC1.9 UDAC1.10 UIS2.1 UIS2.2 UIS2.3 UIS2.12 UIS2.13 UIS2.14 UM1.2 UM1.3 UM1.4 UM1.16 UM1.17 UM1.29 UM1.30 UM1.35 UM1.41 UM1.42 UM1.51

## Polygon pours and split planes (outlines as drawn)
AGND on Bottom Layer "AGND_L02_P145" (solid, pour order 145): 42.3,100.6 104,100.6 104,54.7 42.613,54.7
-12 on Bottom Layer "-12_L02_P135" (solid, pour order 135): 64.9,73.4 64.9,71 65.4,70.5 69.5,70.5 71.4,68.6 88.318,68.6 88.318,73.382 88.3,73.4
+12 on Bottom Layer "+12_L02_P131" (solid, pour order 131): 59.3,77.7 59.3,74.2 60.1,73.4 60.1,58.3 68.425,58.3 68.425,61.225 68.5,61.3 64.6,61.3 64.6,77.7
-12 on Bottom Layer "-12_L02_P083" (solid, pour order 83): 88.512,68.6 83.5,68.6 83.5,124.9 81.5,124.9 81.5,128.254 88.512,128.254
+12 on Bottom Layer "+12_L02_P079" (solid, pour order 79): 88.9,60.9 94.8,60.9 94.8,102.486 93.6,103.5 93.6,135.7 73.073,135.7 73.073,132.4 88.9,132.4
AGND on Bottom Layer "AGND_L02_P151" (solid, pour order 151): 99.8,55.1 99.8,32.9 35,32.9 35,27.5 104,27.5 104,55.1
AGND on Bottom Layer "AGND_L02_P147" (solid, pour order 147): 95.055,120.3 103.95,120.3 104,120.25 104,100.6 95.055,100.6
DGND on Bottom Layer "DGND_L02_P113" (solid, pour order 113): 39.4,53.8 39.3,53.7 39.3,41.7 99.8,41.7 99.8,54.1 39.284,54.1
DGND on Bottom Layer "DGND_L02_P149" (solid, pour order 149): 42.5,103.613 42.553,103.56 42.553,53.39 39.432,53.39 39.342,53.3 39.284,53.358 39.284,103.7
DGND on Bottom Layer "DGND_L02_P109" (solid, pour order 109): 35,122.6 35,103.4 83.5,103.4 83.5,122.6
GND on Bottom Layer "GND_L02_P091" (solid, pour order 91): 35,137.5 103.9,137.5 104,137.4 104,122.9 35,122.9
NetDP2_1 on Bottom Layer "NETDP2_1_L02_P018" (solid, pour order 18): 55.716,124.89 55.716,128.3 60.95,128.3 60.95,124.89 59.416,124.89
NetDP1_2 on Bottom Layer "NETDP1_2_L02_P019" (solid, pour order 19): 55.716,135.7 59.8,135.7 61,135.7 61,132.4 55.716,132.4
-12 on Bottom Layer "-12_L02_P067" (solid, pour order 67): 61.7,124.89 61.7,128.3 81.516,128.3 81.516,124.89 63.316,124.89
+12 on Bottom Layer "+12_L02_P065" (solid, pour order 65): 61.773,135.7 93.6,135.7 93.6,132.4 61.773,132.4
-12 on Bottom Layer "-12_L02_P021" (solid, pour order 21): 88.518,113.9 88.476,113.857 78.5,113.857 78.5,103.46 78.54,103.5 88.5,103.5
+12 on Bottom Layer "+12_L02_P123" (solid, pour order 123): 64.3,61.3 64.3,58.3 94.8,58.3 94.8,61.3
-12 on Bottom Layer "-12_L02_P119" (solid, pour order 119): 61.675,89.8 61.7,89.775 61.7,87 85.14,87 85.1,87.04 85.1,89.7
no net on Bottom Layer "NONET_L02_P077" (solid, pour order 77): 50.009,87.507
no net on Bottom Layer "NONET_L-01_P-001" (solid, pour order 27): 37.46,133.72
DGND on Top Layer "DGND_L01_P117" (solid, pour order 117): 35,119.8 80.1,119.8 80.1,101.4 35,101.4
AGND on Top Layer "AGND_L01_P143" (solid, pour order 143): 104,54.1 69.969,54.1 41.3,54.1 41.3,75.696 36.4,80.4 36.5,95.8 40.8,100.7 103.951,100.7
+12 on Top Layer "+12_L01_P127" (solid, pour order 127): 59.3,77.7 59.3,74.1 59.4,74 64.6,74 64.6,77.7 63.709,77.7 63.509,77.9 63.509,80.625 62.429,80.625 62.429,77.922 62.207,77.7
AGND on Top Layer "AGND_L01_P111" (solid, pour order 111): 103.951,99.925 103.951,120.3 83.965,120.3 83.965,99.925
+12 on Top Layer "+12_L01_P075" (solid, pour order 75): 96.721,68.3 97.169,67.853 99.079,67.853 99.079,64.65 98.198,64.65 98.164,65.564 88.9,65.6 88.9,68.3
-12 on Top Layer "-12_L01_P023" (solid, pour order 23): 94.4,71 94.386,70.986 94.386,68.5 83.5,68.5 83.5,72.3 88.5,72.3 88.5,71
AGND on Top Layer "AGND_L01_P107" (solid, pour order 107): 104,27.5 104,40 35,40 35,27.5
GND on Top Layer "GND_L01_P089" (solid, pour order 89): 35,137.5 35,120.7 104,120.7 104,137.5
DGND on Top Layer "DGND_L01_P093" (solid, pour order 93): 39.5,41.2 101.8,41.2 101.8,53.8 39.5,53.8
NetDP2_2 on Top Layer "NETDP2_2_L01_P037" (solid, pour order 37): 36.1,124.9 41.3,124.9 41.9,125.5 41.9,128.6 49.1,128.6 49.1,125.5 45.2,125.5 45.2,123 44.4,122.2 36.1,122.2
NetDP1_1 on Top Layer "NETDP1_1_L01_P031" (solid, pour order 31): 36,135.5 36,132.4 49.1,132.4 49.1,135.5
DGND on Top Layer "DGND_L01_P155" (solid, pour order 155): 35.1,101.495 35.005,101.4 35,41.2 39.5,41.2 39.5,60.2 40.7,61.4 40.7,75.647 35.9,80.447 35.92,80.467 35.92,101.507
AGND on Top Layer "AGND_L01_P153" (solid, pour order 153): 101.829,54.1 101.829,40.529 101.8,40.5 104,40.5 104,54.1
DGND on Top Layer "DGND_L01_P022" (solid, pour order 22): 40.496,60.2 40.498,60.202 43.516,60.202 43.516,52.6 43.416,52.5 39.5,52.5 39.5,60.2
+12 on Top Layer "+12_L01_P141" (solid, pour order 141): 78.4,84.7 83.6,84.7 83.6,83.4 86.9,83.4 88.1,82.2 93.1,82.2 94.8,80.5 94.8,79.5 85.485,79.5 85.485,80.215 84.226,81.474 79.8,81.474 79.8,83.244 79.794,83.25 78.4,83.25
-12 on Top Layer "-12_L01_P139" (solid, pour order 139): 83.425,90.9 83.425,87.3 87.414,87.3 87.4,87.314 87.4,88.7 88.324,88.7 88.324,90.9
-12 on Top Layer "-12_L01_P137" (solid, pour order 137): 87.3,87.4
-12 on Top Layer "-12_L01_P129" (solid, pour order 129): 63.397,73.5 63.397,72.448 65.55,70.295 65.55,67.7 66.55,67.7 66.597,67.747 66.597,70.3 66.797,70.5 67.9,70.5 67.9,73.5
+12 on Top Layer "+12_L01_P115" (solid, pour order 115): 65.4,64.3 65.4,61.4 65.4,59.004 64.282,59.004 64.282,57 66.523,57 67.873,58.35 67.873,61.3 66.797,61.3 66.55,61.547 66.55,64.3
-12 on Top Layer "-12_L01_P121" (solid, pour order 121): 61.7,89.8 61.7,87 62.205,87 62.57,86.635 62.6,86.635 62.6,84.2 62.65,84.15 63.471,84.15 63.471,86.564 63.4,86.635 63.765,87 66.456,87 66.456,88.769 65.425,89.8
DGND on Top Layer "DGND_L01_P105" (solid, pour order 105): 99.4,37.65 100.773,37.65 100.918,37.795 100.918,41.7 99.4,41.7
DGND on Top Layer "DGND_L01_P103" (solid, pour order 103): 88.4,37.85 89.773,37.85 89.918,37.995 89.918,41.9 88.4,41.9
DGND on Top Layer "DGND_L01_P101" (solid, pour order 101): 77.2,37.85 78.573,37.85 78.718,37.995 78.718,41.9 77.2,41.9
DGND on Top Layer "DGND_L01_P099" (solid, pour order 99): 66.2,37.85 67.573,37.85 67.718,37.995 67.718,41.9 66.2,41.9
DGND on Top Layer "DGND_L01_P097" (solid, pour order 97): 55.1,37.85 56.473,37.85 56.618,37.995 56.618,41.9 55.1,41.9
DGND on Top Layer "DGND_L01_P095" (solid, pour order 95): 43.9,37.85 45.273,37.85 45.418,37.995 45.418,41.9 43.9,41.9
3V3 on Top Layer "3V3_L01_P024" (solid, pour order 24): 78.8,135.697 78.8,132.141 79,131.941 79.02,131.961 81.031,131.961 81.292,131.7 81.292,126.007 81.084,125.799 74.63,125.799 74.4,126.029 74.4,131.8 74.817,132.217 76.4,132.217 76.5,132.317 76.5,135.661
+12 on Top Layer "+12_L01_P087" (solid, pour order 87): 76.2,135.7 76.2,132.5 72.5,132.5 72.5,135.661
+12 on Top Layer "+12_L01_P085" (solid, pour order 85): 84.2,135.7 87.9,135.7 87.9,132.5 84.2,132.5
3V3 on Top Layer "3V3_L01_P071" (solid, pour order 71): 73.1,132.189 73.1,129 73.1,125.799 81.283,125.799 81.283,132.226
+5 on Top Layer "+5_L01_P025" (solid, pour order 25): 90.7,135.931 90.7,132.275 93.539,132.275 93.539,125.898 93.441,125.8 85.9,125.8 85.9,132.275 88.069,132.275 88.069,135.931

## Other copper
Bottom Layer:
  text "Afonso Muralha 2k20" at 101.7,29.6 h3

## Silkscreen, mask and mechanical layers (free items; w line width, h text height)
Top Overlay:
  drawing of 439 lines, arcs and shapes, not listed
  text "Project supported by:" at 60.221,113.1 h2
Bottom Overlay:
  drawing of 58 lines, arcs and shapes, not listed
  text "VCO prototype V1.0" at 56.6,29.2 h2.5
Bottom Solder:
  text "Afonso Muralha 2k20" at 101.7,29.6 h3
Mechanical 1:
  lines w0.127: 34.9,37.5 41.7,37.5 ; 41.7,27.5 41.7,37.5 ; 41.7,48 41.7,37.5 ; 52.8,37.5 52.8,100.1 ; 52.823,48 52.823,37.5 ; 63.946,48 63.946,37.5 ; 75.069,48 75.069,37.5 ; 86.169,69.2 86.192,37.5 ; 86.192,48 86.192,37.5 ; 97.315,48 97.315,37.5 ; 104.115,37.5 97.315,37.5 ; 41.7,37.5 52.823,37.5 ; 52.823,37.5 63.946,37.5 ; 63.946,37.5 75.069,37.5 ; 75.069,37.5 86.192,37.5 ; 86.192,37.5 97.315,37.5
  lines w0.254: 35,27.5 104,27.5 104,137.5 35,137.5 35,27.5

## Text inside footprints (layer, text, board x,y; h text height)
JTAG: Bottom Overlay "2" at 76.757,118.032 h1.27; Bottom Overlay "1" at 76.249,115.492 h1.27; Bottom Overlay "9" at 62.533,115.492 h1.27; Bottom Overlay "10" at 62.533,118.032 h1.27
Power: Bottom Overlay "+12" at 40.6,135.5 h1.27